# Altium PCB BoardM.PcbDoc (part 4 of 6) (continued)
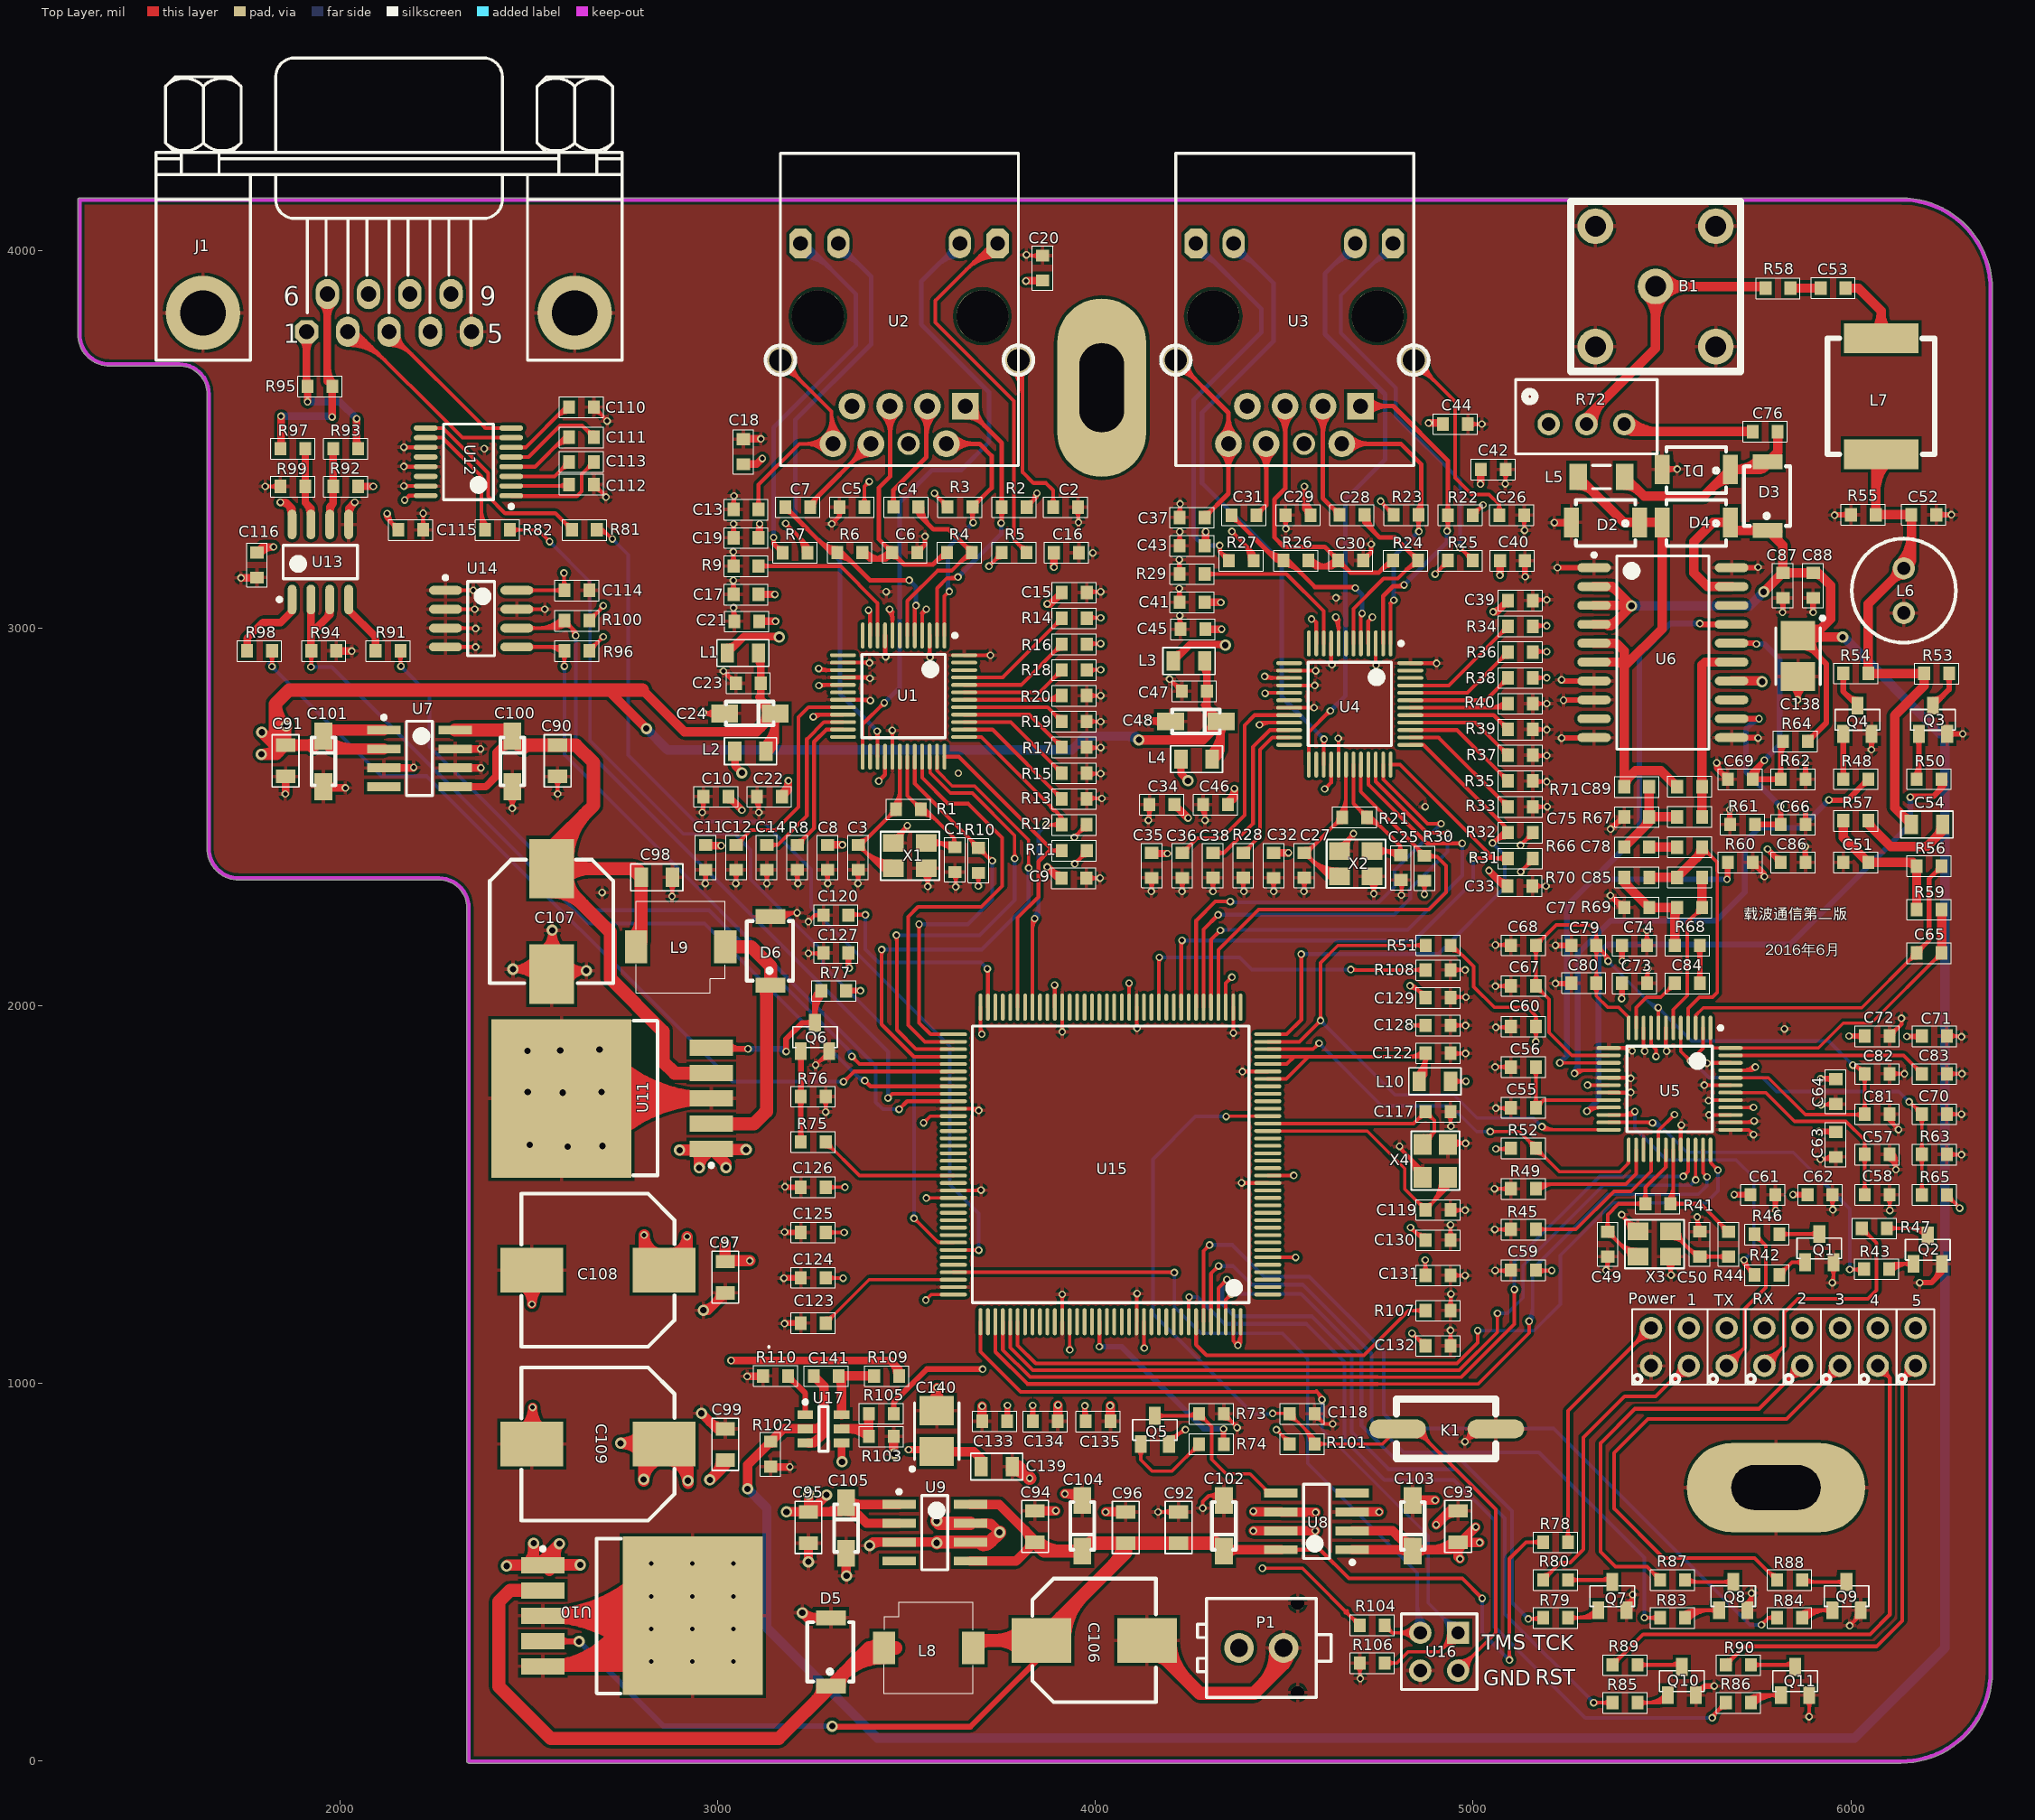
[diagram p0: Top Layer view]
## Nets (pads, with @x,y where several pads share a name; then routed paths per layer and width w, separated by ;. In a path a pad name is that pad's centre, name@x,y a point inside that pad or via, vN(x,y) a via of type N, cw(c..) or ccw(c..) an arc to the next point about the centre after c; other vN are vias at no path point) (continued)
  Top Layer w25: R69.2@5606,2260 C85.2@5606,2340
NetC89_1: C89.1 D2.2 D4.1 L5.1 R71.2 U6.15 | length 1466.3
  Top Layer w15: R71.2@5399.85,2580 R71.2@5399.85,2592.85
  Top Layer w25: L5.1@5278.39,3377.85 cw(c5278.39,3324.39) 5316.19,3362.2 ; L5.1@5278.39,3400 5398.39,3280 D2.2@5441.1,3280 D4.1@5500,3280 5500,2998.3 5399.85,2898.15 ; U6.15@5320,2910 5388,2910 5399.85,2898.15 ; U6.15@5320,2960 5379,2960 5399.85,2939.15 5399.85,2898.15 ; R71.2@5403.1,2581.97 cw(c5437.21,2581.97) 5413.09,2606.09 ; C89.1@5540,2580 5497,2623 5430,2623 5399.85,2592.85 5399.85,2898.15
NetC89_2: C89.2 R67.2 U6.6 | length 483.5
  Top Layer w25: R67.2@5606,2500 C89.2@5606,2580 5606,2902 5614,2910 U6.6@5684.17,2910
NetC110_1: C110.1 U12.6 | length 257.3
  Top Layer w10: U12.6@2453.19,3478.39 2491.39,3478.39 2598,3585 C110.1@2606.15,3585 ; 2570.53,3557.53 cw(c2606.15,3521.91) C110.1@2606.15,3572.28 ; 2587.6,3574.6 cw(c2606.15,3556.05) C110.1@2606.15,3582.28
NetC111_1: C111.1 U12.5 | length 306.8
  Top Layer w10: U12.5@2453.19,3452.8 2499.4,3452.8 2582.69,3536.09 2627.13,3536.09 2627.22,3536 2641.37,3536 C111.1@2672,3505.37 ; 2650.29,3527.08 ccw(c2672,3548.79) C111.1@2672,3518.09 ; 2655.04,3522.33 cw(c2640.06,3507.34) C111.1@2661.25,3507.34
NetC111_2: C111.2 U12.4 | length 246.9
  Top Layer w10: U12.4@2453.19,3427.2 2516.2,3427.2 C111.2@2594.37,3505.37 ; 2564.44,3475.44 cw(c2606,3433.88) C111.2@2606,3492.66 ; 2581.51,3492.51 cw(c2606,3468.03) C111.2@2606,3502.66
NetC112_1: C112.1 U12.2 | length 189.7
  Top Layer w10: U12.2@2453.19,3376.02 C112.1@2602.17,3376.02 ; 2575.35,3376.02 ccw(c2575.35,3408.83) C112.1@2598.55,3385.63 ; 2585.05,3376.02 cw(c2585.05,3356.93) C112.1@2598.55,3370.43
NetC113_1: C113.1 U12.3 | length 209.6
  Top Layer w10: U12.3@2453.19,3401.61 2567.76,3401.61 C113.1@2606.15,3440 ; 2584.44,3418.29 cw(c2606.15,3396.58) C113.1@2606.15,3427.28 ; 2589.19,3423.04 ccw(c2574.21,3438.03) C113.1@2595.4,3438.03
NetC113_2: C113.2 U12.1 | length 331.3
  Top Layer w10: U12.1@2453.19,3350.43 2454.34,3349.28 2627.28,3349.28 2640,3362 2640,3407.85 C113.2@2672.15,3440 ; U12.1@2479.13,3351.77 ccw(c2485.13,3357.77) 2485.13,3349.28 ; 2650.44,3418.29 cw(c2672.15,3396.58) C113.2@2672.15,3427.28 ; 2655.19,3423.04 ccw(c2640.21,3438.03) C113.2@2661.4,3438.03
NetC120_2: C120.2 U15.71 | length 693.4
  Top Layer w10: C120.2@3346,2240 3347,2241 v1(3391,2241) ; C120.2@3353.6,2234.37 cw(c3369.61,2218.36) 3369.61,2241 ; C120.2@3353.6,2249.57 ccw(c3374.29,2270.25) 3374.29,2241 ; v1@3387.46,2237.46 ccw(c3378.93,2228.93) 3378.93,2241 ccw(c3378.93,2253.07) v1@3387.46,2244.54 ; v1@3710.46,2094.46 cw(c3699.04,2083.04) 3715.2,2083.04 ; v1(3714,2098) 3715.2,2096.8 U15.71@3715.2,1996.34
  Bottom Layer w10: v1@3387.46,2237.46 cw(c3378.93,2228.93) 3391,2228.93 cw(c3403.07,2228.93) v1@3394.54,2237.46 ; v1(3391,2241) 3391,2150 3426,2115 3697,2115 v1(3714,2098) ; v1@3709,2098 ccw(c3696.93,2098) 3705.46,2106.54 ccw(c3714,2115.07) v1@3714,2103
NetC123_2: C123.2 U15.106 | length 427.9
  Top Layer w9: C123.2@3286,1160 3400.88,1274.88 U15.106@3623.66,1274.88 ; C123.2@3286,1173.22 ccw(c3286,1205.12) 3308.56,1182.56 ; C123.2@3297.25,1161.97 cw(c3319.65,1161.97) 3303.81,1177.81
NetC141_1: C141.1 R109.2 U17.6 | length 228.2
  Top Layer w25: C141.1@3317.7,1015.73 cw(c3292.29,990.32) 3328.23,990.32 ; U17.6@3328.23,917.4 3328.23,1011.77 C141.1@3320,1020 R109.2@3414,1020
NetD5_2: D5.2 L8.1 U10.2 | length 1880.3
  Top Layer w35: U10.2@2537,452.07 2450.07,452.07 2420,422 2420,198 2558,60 3161.1,60 D5.2@3300,198.9 3401.1,300 L8.1@3440,300 3471,300 ; 3262.67,161.56 ccw(c3225.33,198.9) D5.2@3278.13,198.9 ; D5.2@3321.87,198.9 cw(c3374.67,198.9) 3337.33,236.23 ; 3329.54,228.44 cw(c3440,117.98) L8.1@3440,274.19 ; 3381.65,280.55 cw(c3414.19,248.02) L8.1@3434.65,289.23 ; 3389.29,288.19 cw(c3440,237.48) L8.1@3440,309.19
NetD6_2: D6.2 L9.1 U11.2 | length 709.6
  Top Layer w35: U11.2@2983,1687.93 3095.93,1687.93 3123,1715 ; L9.1@3020,2156 3089,2156 3140,2105 D6.2@3140,2054.9 3129.23,2044.13 3129.23,1720.23 ; D6.2@3118.77,2053.35 cw(c3093.51,2028.09) 3129.23,2028.09
NetLED1_2: R46.2 TX.2 | length 592.4
  Top Layer w10: TX.2@5671,1047 5719,1095 5719,1198 5775,1254 5775,1365 R46.2@5745,1395 ; TX.2@5671,1061.53 ccw(c5671,1096.6) 5695.8,1071.8 ccw(c5720.6,1047) TX.2@5685.53,1047 ; TX.2@5671,1071.53 ccw(c5671,1130.74) 5712.87,1088.87 ccw(c5754.74,1047) TX.2@5695.53,1047 ; R46.2@5745,1382.28 cw(c5745,1351.58) 5766.71,1373.29 ; R46.2@5755.75,1393.03 ccw(c5776.94,1393.03) 5761.96,1378.04
NetLED2_2: R47.2 RX.2 | length 800.4
  Top Layer w10: RX.2@5771,1047 5823,1099 5823,1187 5860,1224 6045,1224 6068,1247 6068,1372 R47.2@6029,1411 ; RX.2@5771,1061.53 ccw(c5771,1096.6) 5795.8,1071.8 ccw(c5820.6,1047) RX.2@5785.53,1047 ; RX.2@5771,1071.53 ccw(c5771,1130.74) 5812.87,1088.87 ccw(c5854.74,1047) RX.2@5795.53,1047 ; R47.2@6029,1398.28 cw(c6029,1367.58) 6050.71,1389.29 ; R47.2@6039.75,1409.03 ccw(c6060.94,1409.03) 6045.96,1394.04
NetLED3_1: Power.1 R78.1 | length 846.6
  Top Layer w10: R78.1@5243.4,589.57 ccw(c5225.05,607.92) 5251,607.92 ccw(c5276.95,607.92) R78.1@5258.6,589.57 ; R78.1@5251,580 5251,928 Power.1@5470,1147 ; Power.1@5445.47,1147 cw(c5386.26,1147) 5428.13,1105.13 cw(c5470,1063.26) Power.1@5470,1122.47 ; Power.1@5455.47,1147 cw(c5420.4,1147) 5445.2,1122.2 cw(c5470,1097.4) Power.1@5470,1132.47
NetLED4_2: 1.2 R80.2 | length 967.8
  Top Layer w10: R80.2@5185,480 5231,526 5257,526 5292,561 5292,857 5401,966 5483,966 5564,1047 1.2@5570,1047 ; R80.2@5185,492.72 ccw(c5185,523.42) 5206.71,501.71 ; R80.2@5195.75,481.97 cw(c5216.94,481.97) 5201.96,496.96 ; 5517.18,1000.18 cw(c5571,946.36) 1.2@5571,1022.47 ; 5534.08,1017.08 ccw(c5504.16,1047) 1.2@5546.47,1047 ; 5534.25,1017.25 cw(c5571,980.5) 1.2@5571,1032.47
NetLED5_2: 2.2 R87.2 | length 1293.8
  Top Layer w10: 5473.29,501.71 ccw(c5495,523.42) R87.2@5495,492.72 ; 5478.04,496.96 cw(c5463.06,481.97) R87.2@5484.25,481.97 ; R87.2@5495,480 5460,515 5377,515 5337,555 5337,842 5428,933 5546,933 ; 5556,933 5546,933 ; 2.2@5846.47,1047 cw(c5787.26,1047) 5829.13,1005.13 cw(c5871,963.26) 2.2@5871,1022.47 ; 2.2@5856.47,1047 cw(c5821.4,1047) 5846.2,1022.2 cw(c5871,997.4) 2.2@5871,1032.47 ; 2.2@5871,1047 5757,933 5546,933
NetLED6_2: 3.2 R88.2 | length 1552.7
  Top Layer w10: 5779.88,503.12 ccw(c5805,528.25) R88.2@5805,492.72 ; R88.2@5789.46,493.54 cw(c5777.88,481.97) R88.2@5794.25,481.97 ; R88.2@5813.5,469.5 5745,538 5504,538 5373,669 5373,816 5463,906 5830,906 3.2@5971,1047 ; 3.2@5946.47,1047 cw(c5887.26,1047) 5929.13,1005.13 cw(c5971,963.26) 3.2@5971,1022.47 ; 3.2@5956.47,1047 cw(c5921.4,1047) 5946.2,1022.2 cw(c5971,997.4) 3.2@5971,1032.47
NetLED7_2: 4.2 R89.2 | length 1580.7
  Top Layer w10: R89.2@5369,255 5450,336 6051,336 6103,388 6103,1015 ; R89.2@5369,267.72 ccw(c5369,298.42) 5390.71,276.71 ; R89.2@5379.75,256.97 cw(c5400.94,256.97) 5385.96,271.96 ; 4.2@6071,1027 4.2@6071,1047 6103,1015 ; 4.2@6076.06,1023 cw(c6082.15,994.15) 6103,1015 ; 4.2@6095,1041.94 ccw(c6123.85,1035.85) 6103,1015
NetLED8_2: 5.2 R90.2 | length 1315.1
  Top Layer w10: R90.2@5669,255 5718,304 6068,304 6136,372 6136,1012 ; R90.2@5669,267.72 ccw(c5669,298.42) 5690.71,276.71 ; R90.2@5679.75,256.97 cw(c5700.94,256.97) 5685.96,271.96 ; 5.2@6146.69,1043.7 cw(c6109.36,1038.64) 6136,1012 ; 5.2@6167.7,1022.69 ccw(c6162.64,985.36) 6136,1012 ; 5.2@6171,1047 6136,1012
NetQ1_2: Q1.2 R42.1 | length 163.4
  Top Layer w10: R42.1@5811,1287.56 5844.44,1321 Q1.2@5879,1321 ; R42.1@5811,1300.28 ccw(c5811,1330.98) 5832.71,1309.27 ; R42.1@5821.75,1289.53 cw(c5842.94,1289.53) 5827.96,1304.52 ; Q1.2@5871.4,1313.4 ccw(c5853.05,1295.05) 5853.05,1321 ccw(c5853.05,1346.95) Q1.2@5871.4,1328.6
NetQ1_3: Q1.3 R46.1 | length 186.1
  Top Layer w10: R46.1@5811.8,1395.8 Q1.3@5916.4,1395.8 ; R46.1@5818.6,1387.4 cw(c5838.89,1367.11) 5838.89,1395.8 ; R46.1@5818.6,1402.6 ccw(c5835.01,1419.01) 5835.01,1395.8 ; Q1.3@5908.8,1388.2 ccw(c5890.45,1369.86) 5890.45,1395.8 ccw(c5890.45,1421.75) Q1.3@5908.8,1403.4
NetQ2_2: Q2.2 R43.2 | length 197.9
  Top Layer w10: R43.2@6101,1303 6115,1317 Q2.2@6166,1317 ; R43.2@6101.53,1304.44 cw(c6131.85,1274.12) 6131.85,1317 ; R43.2@6108.6,1297.37 cw(c6155.99,1249.97) Q2.2@6155.99,1317 ; Q2.2@6158.4,1309.4 ccw(c6140.05,1291.05) 6140.05,1317 ccw(c6140.05,1342.95) Q2.2@6158.4,1324.6
NetQ2_3: Q2.3 R47.1 | length 239.6
  Top Layer w10: R47.1@6095,1411 6184.2,1411 Q2.3@6203.4,1391.8 ; R47.1@6102.6,1403.4 cw(c6120.95,1385.05) 6120.95,1411 cw(c6120.95,1436.95) R47.1@6102.6,1418.6 ; 6150.12,1411 cw(c6150.12,1346.39) Q2.3@6195.8,1392.08 ; 6174.26,1411 cw(c6174.26,1370.54) Q2.3@6202.87,1399.15
NetQ3_2: Q3.2 R50.1 | length 176.8
  Top Layer w15: R50.1@6168.32,2607.8 ccw(c6140.11,2636) 6180,2636 ; Q3.2@6174.17,2706.29 cw(c6160.09,2692.21) 6180,2692.21 cw(c6199.91,2692.21) Q3.2@6185.83,2706.29 ; R50.1@6180,2605.85 Q3.2@6180,2720
NetQ3_3: Q3.3 R53.1 | length 164.7
  Top Layer w15: Q3.3@6217.4,2794.8 6260,2837.4 R53.1@6260,2880 ; Q3.3@6217.4,2810.93 ccw(c6217.4,2849.85) 6244.92,2822.33 ; R53.1@6254.17,2872.2 cw(c6240.09,2858.12) 6260,2858.12 cw(c6279.91,2858.12) R53.1@6265.83,2872.2
NetQ4_2: Q4.2 R48.1 | length 182.6
  Top Layer w15: R48.1@5974.17,2607.8 ccw(c5960.09,2621.88) 5980,2621.88 ccw(c5999.91,2621.88) R48.1@5985.83,2607.8 ; Q4.2@5974.17,2706.29 cw(c5960.09,2692.21) 5980,2692.21 cw(c5999.91,2692.21) Q4.2@5985.83,2706.29 ; R48.1@5980,2600 Q4.2@5980,2720
NetQ4_3: Q4.3 R54.1 | length 162.5
  Top Layer w15: R54.1@5974.17,2872.2 cw(c5960.09,2858.12) 5980,2858.12 cw(c5999.91,2858.12) R54.1@5985.83,2872.2 ; R54.1@5980,2880 5980,2832.2 Q4.3@6017.4,2794.8 ; 5989.88,2822.33 ccw(c6017.4,2849.85) Q4.3@6017.4,2810.93
NetQ5_2: Q5.2 R74.1 | length 323.5
  Top Layer w9: Q5.2@4112.05,824.17 cw(c4092.84,804.97) 4120,804.97 cw(c4147.16,804.97) Q5.2@4127.95,824.17 ; Q5.2@4120,840 4120,798 4150,768 4202.71,768 R74.1@4274.15,839.44 ; 4251.59,816.88 cw(c4274.15,794.32) R74.1@4274.15,826.22 ; 4256.34,821.63 ccw(c4240.5,837.47) R74.1@4262.9,837.47
NetQ5_3: Q5.3 R73.2 U8.5 | length 629.4
  Top Layer w9: Q5.3@4157.4,914.8 4268.8,914.8 R73.2@4274,920 4308,886 4308,799 4346,761 4409,761 4460,710 U8.5@4491.02,710 ; Q5.3@4165.36,906.85 cw(c4184.56,887.65) 4184.56,914.8 cw(c4184.56,941.96) Q5.3@4165.36,922.76 ; 4239.05,914.8 ccw(c4239.05,952.98) R73.2@4266.05,925.99 ; 4254.64,914.8 cw(c4254.64,898.67) R73.2@4266.05,910.08 ; R73.2@4274,906.78 cw(c4274,874.88) 4296.56,897.44 ; R73.2@4285.25,918.03 ccw(c4307.65,918.03) 4291.81,902.19 ; 4445.03,724.97 cw(c4430.07,710) U8.5@4451.23,710 ; U8.5@4448.55,721.45 ccw(c4458.54,731.44) U8.5@4458.54,717.31
NetQ6_2: Q6.2 R75.1 R76.2 | length 365.3
  Top Layer w15: R76.2@3214.02,1752.2 cw(c3199.94,1738.12) 3219.85,1738.12 cw(c3239.76,1738.12) R76.2@3225.68,1752.2 ; R76.2@3214.02,1767.8 ccw(c3199.58,1782.24) 3220,1782.24 ; R75.1@3214.17,1647.35 ccw(c3200.45,1661.07) 3219.85,1661.07 ; Q6.2@3214.17,1866.29 cw(c3200.09,1852.21) 3220,1852.21 cw(c3239.91,1852.21) Q6.2@3225.83,1866.29 ; R75.1@3219.85,1639.7 R76.2@3219.85,1760 ; 3219.85,1661.79 ccw(c3240.27,1661.79) R75.1@3225.83,1647.35 ; R76.2@3220,1760.15 Q6.2@3220,1880 ; 3220,1781.52 ccw(c3239.4,1781.52) R76.2@3225.68,1767.8
NetQ6_3: Q6.3 R77.2 U11.5 | length 684.1
  Top Layer w15: U11.5@2983,1888.72 2985.72,1886 v1(3080,1886) ; U11.5@3028.44,1878.71 cw(c3046.04,1861.11) 3046.04,1886 ; U11.5@3028.44,1898.72 ccw(c3059.16,1929.44) 3059.16,1886 ; v1(3181,1879) 3181,1912 3223.8,1954.8 Q6.3@3257.4,1954.8 3257.4,2023.4 R77.2@3274,2040 ; Q6.3@3251.57,1948.97 ccw(c3237.49,1934.89) 3237.49,1954.8 ccw(c3237.49,1974.72) Q6.3@3251.57,1960.64 ; Q6.3@3251.57,1968.51 ccw(c3237.49,1982.59) 3257.4,1982.59 ccw(c3277.31,1982.59) Q6.3@3263.23,1968.51 ; 3256.56,2022.56 cw(c3274,2005.12) R77.2@3274,2029.78 ; Q6.3@3257.4,1978.05 cw(c3333.98,1978.05) R77.2@3279.83,2032.2 ; 3257.4,2014.26 cw(c3297.77,2014.26) R77.2@3269.23,2042.81 ; R77.2@3261.31,2027.31 ccw(c3250.59,2038.03) R77.2@3265.75,2038.03
  Bottom Layer w15: v1(3080,1886) 3174,1886 v1(3181,1879) ; 3158.06,1886 cw(c3158.06,1856.07) v1@3179.23,1877.23
NetQ7_2: Q7.2 R79.1 | length 215.9
  Top Layer w10: R79.1@5251,380 5311,380 Q7.2@5331,400 ; R79.1@5258.6,372.4 cw(c5276.95,354.05) 5276.95,380 cw(c5276.95,405.95) R79.1@5258.6,387.6 ; 5275.78,380 ccw(c5275.78,447.35) Q7.2@5323.4,399.73 ; 5299.92,380 ccw(c5299.92,423.21) Q7.2@5330.47,392.65
NetQ7_3: Q7.3 R80.1 | length 193.7
  Top Layer w10: R80.1@5251,480 Q7.3@5363.2,480 ; R80.1@5258.6,472.4 cw(c5276.95,454.05) 5276.95,480 cw(c5276.95,505.95) R80.1@5258.6,487.6 ; 5335.99,480 ccw(c5335.99,515.09) Q7.3@5360.8,490.28 ; 5348.92,480 cw(c5348.92,463.19) Q7.3@5360.8,475.08
NetQ8_2: Q8.2 R83.1 | length 326.3
  Top Layer w10: R83.1@5554.46,388.51 cw(c5582.2,360.77) 5582.2,400 ; R83.1@5561,380 5581,400 ; R83.1@5561.53,381.44 cw(c5606.34,336.63) 5606.34,400 ; R83.1@5561.67,392.7 ccw(c5563.25,417.75) 5581,400 ; R83.1@5568.6,374.37 cw(c5630.48,312.49) 5630.48,400 ; R83.1@5571.75,381.97 cw(c5592.94,381.97) 5577.96,396.96 ; Q8.2@5643.4,392.4 ccw(c5625.05,374.05) 5625.05,400 ccw(c5625.05,425.95) Q8.2@5643.4,407.6 ; Q8.2@5651,400 5581,400
NetQ8_3: Q8.3 R87.1 | length 203.7
  Top Layer w10: R87.1@5566.2,474.8 Q8.3@5688.4,474.8 ; R87.1@5568.6,470.43 cw(c5579.15,459.88) 5579.15,474.8 ; R87.1@5568.6,485.63 ccw(c5594.74,511.77) 5594.74,474.8 ; Q8.3@5680.8,467.2 ccw(c5662.45,448.86) 5662.45,474.8 ccw(c5662.45,500.75) Q8.3@5680.8,482.4
NetQ9_2: Q9.2 R84.1 | length 316.3
  Top Layer w10: R84.1@5864.46,388.51 cw(c5892.2,360.77) 5892.2,400 ; R84.1@5871,380 5891,400 ; R84.1@5871.53,381.44 cw(c5916.34,336.63) 5916.34,400 ; R84.1@5871.67,392.7 ccw(c5873.25,417.75) 5891,400 ; R84.1@5878.6,374.37 cw(c5940.48,312.49) Q9.2@5940.48,400 ; R84.1@5881.75,381.97 cw(c5902.94,381.97) 5887.96,396.96 ; Q9.2@5943.4,392.4 ccw(c5925.05,374.05) 5925.05,400 ccw(c5925.05,425.95) Q9.2@5943.4,407.6 ; Q9.2@5951,400 5891,400
NetQ9_3: Q9.3 R88.1 | length 193.7
  Top Layer w10: R88.1@5876.2,474.8 Q9.3@5988.4,474.8 ; R88.1@5878.6,470.43 cw(c5889.15,459.88) 5889.15,474.8 ; R88.1@5878.6,485.63 ccw(c5904.74,511.77) 5904.74,474.8 ; Q9.3@5980.8,467.2 ccw(c5962.45,448.86) 5962.45,474.8 ccw(c5962.45,500.75) Q9.3@5980.8,482.4
NetQ10_2: Q10.2 R85.1 | length 187.6
  Top Layer w10: R85.1@5435,155 5495,155 ; R85.1@5442.6,147.4 cw(c5460.95,129.05) 5460.95,155 cw(c5460.95,180.95) R85.1@5442.6,162.6 ; 5459.78,155 ccw(c5459.78,222.35) Q10.2@5507.4,174.73 ; 5483.92,155 ccw(c5483.92,198.21) Q10.2@5514.47,167.65
NetQ10_3: Q10.3 R89.1 | length 193.7
  Top Layer w10: R89.1@5435,255 Q10.3@5547.2,255 ; R89.1@5442.6,247.4 cw(c5460.95,229.05) 5460.95,255 cw(c5460.95,280.95) R89.1@5442.6,262.6 ; 5519.99,255 ccw(c5519.99,290.09) Q10.3@5544.8,265.28 ; 5532.92,255 cw(c5532.92,238.19) Q10.3@5544.8,250.08
NetQ11_2: Q11.2 R86.1 | length 316.3
  Top Layer w10: R86.1@5728.46,163.51 cw(c5756.2,135.77) 5756.2,175 ; R86.1@5735,155 5755,175 ; R86.1@5735.53,156.44 cw(c5780.34,111.63) 5780.34,175 ; R86.1@5735.67,167.7 ccw(c5737.25,192.75) 5755,175 ; R86.1@5742.6,149.37 cw(c5804.48,87.49) Q11.2@5804.48,175 ; R86.1@5745.75,156.97 cw(c5766.94,156.97) 5751.96,171.96 ; Q11.2@5807.4,167.4 ccw(c5789.05,149.05) 5789.05,175 ccw(c5789.05,200.95) Q11.2@5807.4,182.6 ; Q11.2@5815,175 5755,175
NetQ11_3: Q11.3 R90.1 | length 193.7
  Top Layer w10: R90.1@5735,255 Q11.3@5847.2,255 ; R90.1@5742.6,247.4 cw(c5760.95,229.05) 5760.95,255 cw(c5760.95,280.95) R90.1@5742.6,262.6 ; 5819.99,255 ccw(c5819.99,290.09) Q11.3@5844.8,265.28 ; 5832.92,255 cw(c5832.92,238.19) Q11.3@5844.8,250.08
NetR5_1: R5.1 U2.9 | length 1271.3
  Top Layer w10: 3659.3,3950.3 cw(c3740.98,3868.62) U2.9@3740.98,3984.13 ; 3676.37,3967.37 cw(c3740.98,3902.76) U2.9@3740.98,3994.13 ; 3693.44,3984.44 cw(c3740.98,3936.9) U2.9@3740.98,4004.13 ; 3710.51,4001.51 cw(c3740.98,3971.04) U2.9@3740.98,4014.13 ; U2.9@3727.5,4018.5 3576,3867 3576,3809 3784,3601 3784,3233.85 R5.1@3817.85,3200 ; 3796.14,3221.71 ccw(c3817.85,3243.42) R5.1@3817.85,3212.72 ; 3800.89,3216.96 cw(c3785.91,3201.97) R5.1@3807.1,3201.97
NetR7_1: R7.1 U2.12 | length 1216.2
  Top Layer w12: v1(3148,3240) 3148,3223.44 R7.1@3172,3199.44 ; 3152,3219.44 ccw(c3172,3239.44) R7.1@3172,3211.16 ; R7.1@3156.75,3214.69 cw(c3143.47,3201.41) R7.1@3162.25,3201.41
  Bottom Layer w12: v1(3148,3240) 3148,3531 3366,3749 3366,3884 3231.5,4018.5 U2.12@3218.06,4018.5 ; U2.12@3219.33,3985.13 cw(c3219.33,3875.2) 3297.07,3952.94 ; U2.12@3219.33,3997.13 cw(c3219.33,3916.17) 3276.58,3973.42 ; U2.12@3219.33,4009.13 cw(c3219.33,3957.14) 3256.09,3993.91
NetR8_2: R8.2 U1.23 | length 422.1
  Top Layer w10: R8.2@3210.62,2426 3255,2470.38 3255,2699 3287.42,2731.42 U1.23@3331.57,2731.42 ; R8.2@3212.59,2436.75 ccw(c3212.59,2457.94) 3227.58,2442.96 ; R8.2@3223.34,2426 cw(c3254.04,2426) 3232.33,2447.71
NetR9_1: R9.1 U1.10 | length 478.3
  Top Layer w10: R9.1@3108,3164.28 3324.72,3164.28 3423.1,3065.9 U1.10@3423.1,2980.43
  Top Layer w12: R9.1@3114.89,3157.39 cw(c3131.53,3140.75) 3131.53,3164.28 cw(c3131.53,3187.81) R9.1@3114.89,3171.17
NetR11_1: R11.1 U1.36 U15.67 | length 906.8
  Top Layer w10: U1.36@3600.27,2659.57 3638.43,2659.57 3887.24,2410.76 ; U15.67@3793.94,1996.34 3793.94,2232.94 3849.21,2288.21 3849.21,2382.21 3877,2410 3886.47,2410 ; R11.1@3902.93,2403.67 ccw(c3887.24,2389.87) 3887.24,2410.76 ; R11.1@3902.93,2417.86 cw(c3887.24,2431.66) 3887.24,2410.76 ; R11.1@3911,2410.76 3887.24,2410.76
NetR12_2: R12.2 U1.37 U15.65 | length 1117
  Top Layer w10: U1.37@3652.43,2711.73 3698.27,2711.73 3882.1,2527.9 3882.1,2524.87 3889.72,2517.25 3892.75,2517.25 3910.85,2499.15 ; U15.65@3833.31,1996.34 3833.31,2225.31 v1(3839,2231) ; 3833.31,2205.19 cw(c3864.81,2205.19) v1@3842.54,2227.46 ; v1(3869,2479) 3910.2,2479 R12.2@3910.85,2479.65 3910.85,2499.15 ; v1@3872.54,2475.46 cw(c3881.07,2466.93) 3881.07,2479 cw(c3881.07,2491.07) v1@3872.54,2482.54 ; 3883.34,2479 ccw(c3883.34,2507.16) R12.2@3903.25,2487.25 ; 3886.46,2479 cw(c3886.46,2455.26) R12.2@3903.25,2472.05 ; 3899.38,2510.62 cw(c3873.22,2484.47) R12.2@3910.1,2481.67 ; R12.2@3905.97,2491.19 ccw(c3901.92,2499.15) 3910.85,2499.15 ; R12.2@3915.73,2491.19 cw(c3919.78,2499.15) 3910.85,2499.15
  Bottom Layer w10: v1@3835.46,2234.54 ccw(c3802.28,2267.72) 3849.21,2267.72 ; v1(3839,2231) 3849.21,2241.21 3849.21,2459.21 v1(3869,2479) ; v1@3842.54,2227.46 ccw(c3826.42,2243.58) 3849.21,2243.58 ; v1@3864,2479 cw(c3851.93,2479) 3860.46,2470.46 cw(c3869,2461.93) v1@3869,2474
NetR13_2: R13.2 U1.38 | length 375.2
  Top Layer w10: U1.38@3652.43,2731.42 3727.4,2731.42 R13.2@3910.85,2547.97 ; 3889.14,2569.68 ccw(c3910.85,2591.39) R13.2@3910.85,2560.69 ; 3893.89,2564.93 cw(c3878.91,2549.94) R13.2@3900.1,2549.94
NetR14_1: R14.1 U1.45 | length 364.1
  Top Layer w10: U1.45@3652.43,2869.21 3754.54,2869.21 R14.1@3911,3025.68 ; 3889.29,3003.97 cw(c3911,2982.26) R14.1@3911,3012.96 ; 3894.04,3008.72 ccw(c3879.06,3023.71) R14.1@3900.25,3023.71
NetR15_2: R15.2 U1.39 | length 355
  Top Layer w10: U1.39@3652.43,2751.1 3776.04,2751.1 3906,2621.14 R15.2@3910.85,2616.29 ; 3889.14,2638 ccw(c3910.85,2659.71) R15.2@3910.85,2629.01 ; 3893.89,2633.25 cw(c3878.91,2618.26) R15.2@3900.1,2618.26
NetR16_1: R16.1 U1.44 | length 344
  Top Layer w10: U1.44@3652.43,2849.53 3803.18,2849.53 R16.1@3911,2957.35 ; 3889.29,2935.64 cw(c3911,2913.94) R16.1@3911,2944.64 ; 3894.04,2940.4 ccw(c3879.06,2955.38) R16.1@3900.25,2955.38
NetR17_2: R17.2 U1.40 | length 334.9
  Top Layer w10: U1.40@3652.43,2770.79 3824.68,2770.79 R17.2@3910.85,2684.62 ; 3889.14,2706.33 ccw(c3910.85,2728.03) R17.2@3910.85,2697.33 ; 3893.89,2701.57 cw(c3878.91,2686.59) R17.2@3900.1,2686.59
NetR18_1: R18.1 U1.43 | length 323.8
  Top Layer w10: U1.43@3652.43,2829.84 3851.81,2829.84 R18.1@3911,2889.03 ; 3889.29,2867.32 cw(c3911,2845.61) R18.1@3911,2876.31 ; 3894.04,2872.07 ccw(c3879.06,2887.06) R18.1@3900.25,2887.06
NetR19_2: R19.2 U1.41 | length 314.7
  Top Layer w10: U1.41@3652.43,2790.47 3873.32,2790.47 R19.2@3910.85,2752.94 ; 3889.14,2774.65 ccw(c3910.85,2796.36) R19.2@3910.85,2765.66 ; 3893.89,2769.9 cw(c3878.91,2754.91) R19.2@3900.1,2754.91
NetR20_2: R20.2 U1.42 | length 333.8
  Top Layer w10: U1.42@3652.43,2810.16 3899.74,2810.16 R20.2@3910.85,2821.26 ; 3862.84,2810.16 ccw(c3862.84,2867.31) R20.2@3903.25,2826.9 ; 3886.98,2810.16 ccw(c3886.98,2843.16) R20.2@3910.32,2819.82
NetR25_1: R25.1 U3.9 | length 1259
  Top Layer w10: v1@4965,3207.85 cw(c4965,3195.78) 4973.54,3204.31 cw(c4982.07,3212.85) v1@4970,3212.85 ; v1(4965,3212.85) R25.1@4998.85,3179 ; 4977.14,3200.71 ccw(c4998.85,3222.42) R25.1@4998.85,3191.72 ; 4981.89,3195.96 cw(c4966.91,3180.97) R25.1@4988.1,3180.97
  Bottom Layer w10: 4729.04,3959.83 cw(c4787.72,3901.16) U3.9@4787.72,3984.13 ; 4746.11,3976.9 cw(c4787.72,3935.3) U3.9@4787.72,3994.13 ; 4752.8,3983.59 ccw(c4727.74,4008.66) U3.9@4763.19,4008.66 ; U3.9@4787.72,4018.5 4650,3880.79 4650,3781 4795,3636 4795,3561 4965,3391 v1(4965,3212.85) ; v1@4961.46,3216.39 ccw(c4952.93,3224.92) 4965,3224.92 ccw(c4977.07,3224.92) v1@4968.54,3216.39
NetR27_1: R27.1 U3.12 | length 1216.3
  Top Layer w12: v1(4329,3219) 4329,3202.44 R27.1@4353,3178.44 ; 4333,3198.44 ccw(c4353,3218.44) R27.1@4353,3190.16 ; R27.1@4337.75,3193.69 cw(c4324.47,3180.41) R27.1@4343.25,3180.41
  Bottom Layer w12: U3.12@4266.06,3985.13 cw(c4266.06,3904.57) 4323.03,3961.54 ; U3.12@4266.06,3997.13 cw(c4266.06,3945.54) 4302.54,3982.02 ; U3.12@4266.06,4018.5 4439,3845.57 4439,3783 4260,3604 4260,3245 4286,3219 v1(4329,3219) ; U3.12@4289.59,4008.66 ccw(c4322.63,4008.66) 4299.27,3985.3
NetR28_2: R28.2 U4.23 | length 422.1
  Top Layer w10: R28.2@4391.62,2405 4436,2449.38 4436,2678 4468.42,2710.42 U4.23@4512.57,2710.42 ; R28.2@4393.59,2415.75 ccw(c4393.59,2436.94) 4408.58,2421.96 ; R28.2@4404.34,2405 cw(c4435.04,2405) 4413.33,2426.71
NetR29_1: R29.1 U4.10 | length 478.3
  Top Layer w10: R29.1@4289,3143.28 4505.72,3143.28 4604.1,3044.9 U4.10@4604.1,2959.43
  Top Layer w12: R29.1@4295.89,3136.39 cw(c4312.53,3119.75) 4312.53,3143.28 cw(c4312.53,3166.81) R29.1@4295.89,3150.17
NetR31_1: R31.1 U4.36 U15.45 | length 1733.8
  Top Layer w10: U15.45@4227.01,1996.34 v1@4227.01,2173 ; 4227.01,2156.12 cw(c4245.88,2156.12) v1@4232.54,2169.46 ; U4.36@4781.27,2638.57 U4.36@4781.47,2638.57 4806.43,2638.57 5054,2391 ; v1(5000,2391) 5054,2391 ; v1@5003.54,2387.46 cw(c5012.07,2378.93) 5012.07,2391 cw(c5012.07,2403.07) v1@5003.54,2394.54 ; 5064.28,2391 ccw(c5064.28,2419.45) R31.1@5084.4,2399.33 ; 5067.82,2391 cw(c5067.82,2367.55) R31.1@5084.4,2384.13 ; R31.1@5084.4,2382.16 ccw(c5066.05,2363.82) 5066.05,2389.76 ccw(c5066.05,2415.71) R31.1@5084.4,2397.36 ; 5054,2391 5090.76,2391 R31.1@5092,2389.76 5055.24,2389.76 5054,2391
  Bottom Layer w10: v1(4229,2173) 4844,2173 5000,2329 v1(5000,2391) ; v1@4232.54,2169.46 cw(c4241.07,2160.93) 4241.07,2173 cw(c4241.07,2185.07) v1@4232.54,2176.54 ; v1@4996.46,2387.46 cw(c4987.93,2378.93) 5000,2378.93 cw(c5012.07,2378.93) v1@5003.54,2387.46
NetR32_2: R32.2 U4.37 U15.36 | length 1589.2
  Top Layer w10: U15.36@4456.34,1924.49 4506.49,1924.49 4545,1963 v1(4545,2137) ; v1@4541.46,2133.46 cw(c4532.93,2124.93) 4545,2124.93 cw(c4557.07,2124.93) v1@4548.54,2133.46 ; U4.37@4833.43,2690.73 4868.27,2690.73 5091.85,2467.15 R32.2@5091.85,2458.65 5078.65,2458.65 v1(5051,2431) ; v1@5047.6,2427.6 cw(c5091.85,2383.35) R32.2@5091.85,2445.93 ; v1@5051,2436 ccw(c5051,2448.07) 5059.54,2439.54 ccw(c5068.07,2431) v1@5056,2431 ; 5064.67,2444.67 cw(c5091.85,2417.5) R32.2@5091.85,2455.93
  Bottom Layer w10: v1(4545,2137) 4908,2137 5084,2313 5084,2398 v1(5051,2431) ; v1@4548.54,2133.46 cw(c4557.07,2124.93) 4557.07,2137 cw(c4557.07,2149.07) v1@4548.54,2140.54 ; v1@5051,2426 cw(c5051,2413.93) 5059.54,2422.46 cw(c5068.07,2431) v1@5056,2431
NetR33_2: R33.2 U4.38 | length 375.2
  Top Layer w10: U4.38@4833.43,2710.42 4908.4,2710.42 R33.2@5091.85,2526.97 ; 5070.14,2548.68 ccw(c5091.85,2570.39) R33.2@5091.85,2539.69 ; 5074.89,2543.93 cw(c5059.91,2528.94) R33.2@5081.1,2528.94
NetR34_1: R34.1 U4.45 | length 364.1
  Top Layer w10: U4.45@4833.43,2848.21 4935.54,2848.21 R34.1@5092,3004.68 ; 5070.29,2982.97 cw(c5092,2961.26) R34.1@5092,2991.96 ; 5075.04,2987.72 ccw(c5060.06,3002.71) R34.1@5081.25,3002.71
NetR35_2: R35.2 U4.39 | length 355
  Top Layer w10: U4.39@4833.43,2730.1 4957.04,2730.1 5087,2600.14 R35.2@5091.85,2595.29 ; 5070.14,2617 ccw(c5091.85,2638.71) R35.2@5091.85,2608.01 ; 5074.89,2612.25 cw(c5059.91,2597.26) R35.2@5081.1,2597.26
NetR36_1: R36.1 U4.44 | length 343.8
  Top Layer w10: U4.44@4833.63,2828.53 4984.18,2828.53 R36.1@5092,2936.35 ; 5070.29,2914.64 cw(c5092,2892.94) R36.1@5092,2923.64 ; 5075.04,2919.4 ccw(c5060.06,2934.38) R36.1@5081.25,2934.38
NetR37_2: R37.2 U4.40 | length 334.9
  Top Layer w10: U4.40@4833.43,2749.79 5005.68,2749.79 R37.2@5091.85,2663.62 ; 5070.14,2685.33 ccw(c5091.85,2707.03) R37.2@5091.85,2676.33 ; 5074.89,2680.57 cw(c5059.91,2665.59) R37.2@5081.1,2665.59